# Altium PCB APP_EMILE.PcbDoc (part 6 of 6)
Units mil, origin at the board's own origin, x right, y up, seen from the top; angles counter-clockwise.
Board outline 7620.03 x 9320.03 mil, 12 copper layers (L1_Signal, L2_GND, L3_Signal, L4_GND, L5_Power, L6_GND, L7_GND, L8_Power, L9_GND, L10_Signal, L11_GND, L12_Signal), stack 74.268 mil thick; 395 components, 338 nets, 2140 pads, 1400 vias.
Unrouted connection lines stored in the file: 223.
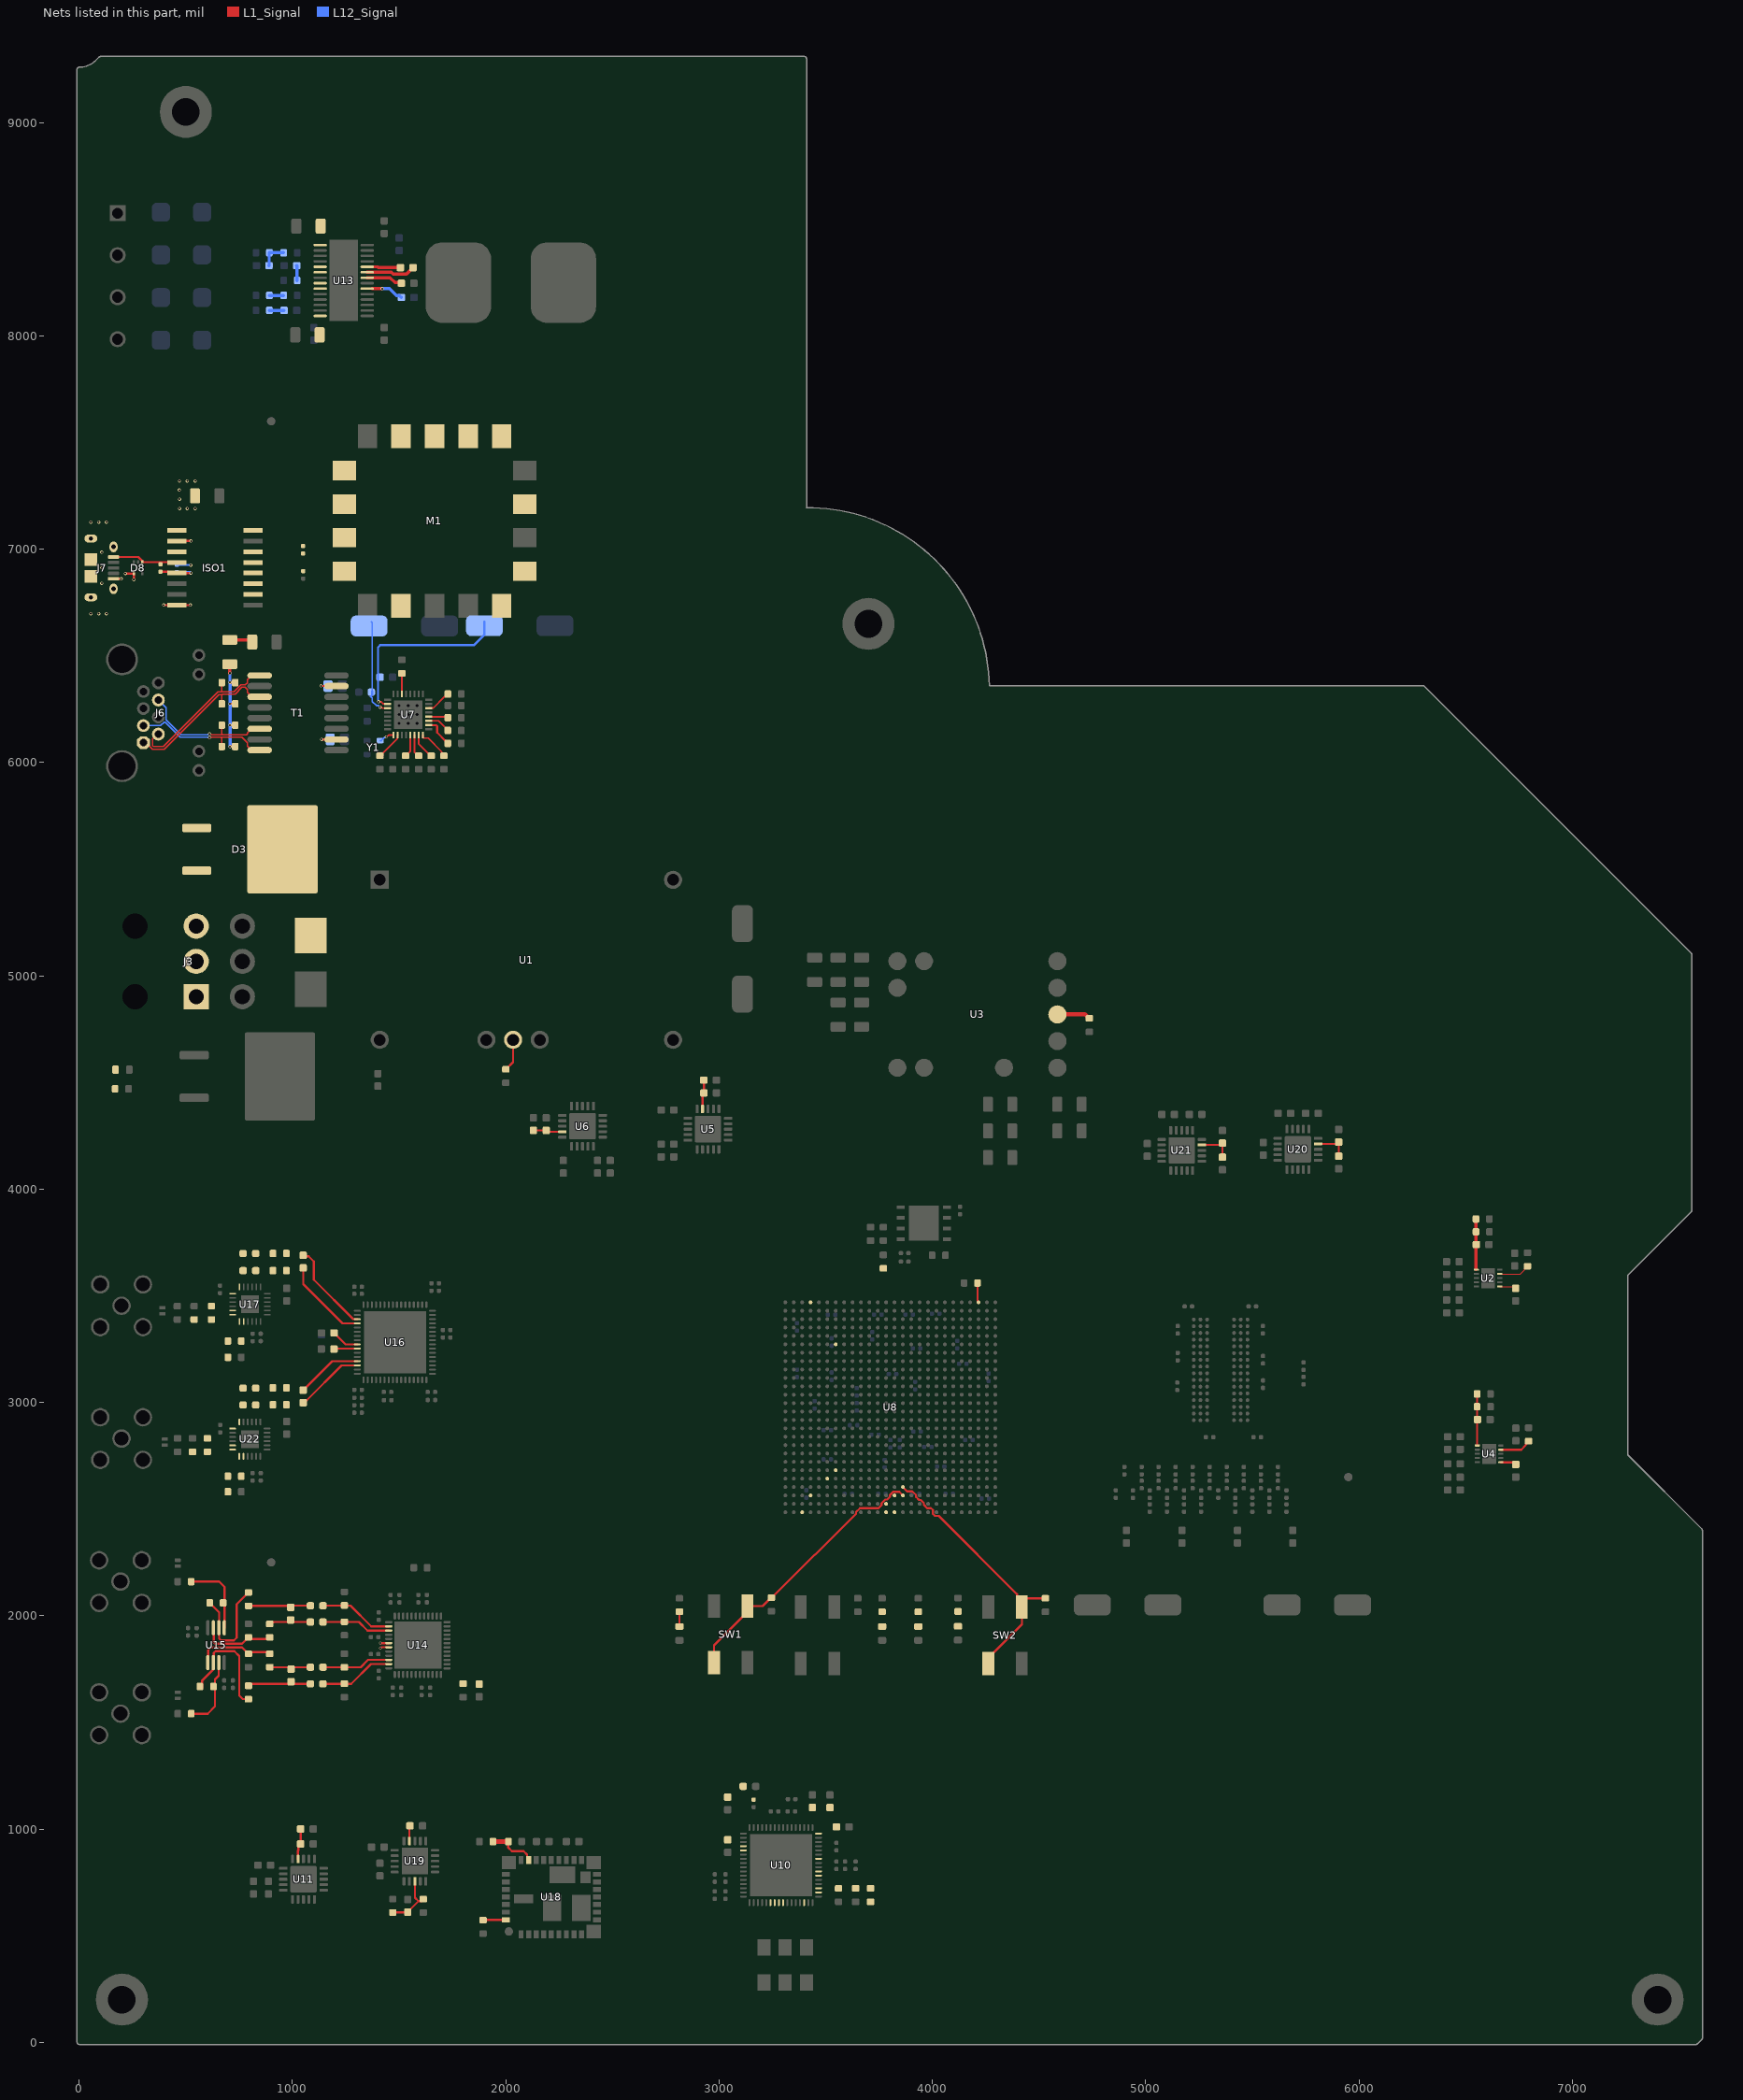
[diagram p16: the nets of this part, all layers, seen from the top]

## Via types
v1: diameter 15, hole 9, L1_Signal to L12_Signal, 719 vias
v2: diameter 15, hole 9, L1_Signal to L12_Signal, tented both sides, 553 vias
v3: diameter 19.68, hole 7.87, L1_Signal to L12_Signal, 89 vias
v4: diameter 13, hole 7, L1_Signal to L12_Signal, 15 vias
v5: diameter 19.68, hole 11.81, L1_Signal to L12_Signal, 15 vias
v6: diameter 22, hole 12, L1_Signal to L12_Signal, 9 vias

## Nets (pads, with @x,y where several pads share a name; then routed paths per layer and width w, separated by ;. In a path a pad name is that pad's centre, name@x,y a point inside that pad or via, vN(x,y) a via of type N, cw(c..) or ccw(c..) an arc to the next point about the centre after c; other vN are vias at no path point) (continued)
IO_L20N_2: R31.1 SW1.1 SW1.4 U8.C12 | length 1302.1
  L1_Signal w10: SW1.1@2976.28,1779.7 2976.28,1861.39 3133.76,2018.88 SW1.4@3133.76,2045.45 3204.39,2045.45 3243.02,2084.08 R31.1@3245.02,2084.08 3247.02,2084.08 3448.85,2285.91 3450.37,2285.91 3642.35,2477.89 3642.35,2486.2 3660.71,2504.56 3747.76,2504.56 3761.88,2518.67 3761.88,2526.98 3779.53,2544.63 3787.84,2544.63 3801.6,2558.4 3801.6,2566.71 3815.36,2580.47 3844.83,2580.47 U8.C12@3861.72,2563.61
IO_L20P_2: R32.2 SW2.1 SW2.4 U8.D12 | length 1282.8
  L1_Signal w10: U8.D12@3861.72,2602.98 3881.47,2583.22 3905.31,2583.22 3923.6,2564.94 3923.6,2556.63 3937.71,2542.51 3946.02,2542.51 3960.14,2528.4 3960.14,2520.09 3975.67,2504.56 3992.98,2504.56 4002.34,2495.19 4002.34,2477.89 4012.21,2468.01 4029.52,2468.01 4397.16,2100.38 4397.16,2081.5 SW2.4@4419.72,2058.94 ; SW2.1@4262.23,1775.24 4262.23,1801.81 4419.72,1959.29 SW2.4@4419.72,2040.99 SW2.4@4419.72,2058.94 ; R32.2@4530,2081.5 4442.27,2081.5 SW2.4@4419.72,2058.94
IO_L34_N: U8.A13
IO_L34_P: U8.C13
IO_L35_N: U8.A14
IO_L35_P: U8.B14
JTAG_TCK: M1.10 U8.E21
JTAG_TDI: M1.12 U8.F20
JTAG_TDO: M1.11 U8.A24
JTAG_TMS: M1.13 U8.C23
NetC1_2: C1.2 T1.2 | length 110.3
  L1_Signal w10: v1(1136.21,6108.72) 1136.51,6108.42 1205.67,6108.42 T1.2@1205.98,6108.11
  L12_Signal w10: v1(1136.21,6108.72) C1.2@1176.5,6108.72
NetC2_2: C2.2 T1.7 | length 105.5
  L1_Signal w10: v2(1133.84,6359.22) 1134.39,6358.67 1205.42,6358.67 T1.7@1205.98,6358.11
  L12_Signal w10: v2(1133.84,6359.22) 1166,6359.22 C2.2@1166.5,6358.72
NetC3_1: C3.1 L1.2 | length 109.4
  L1_Signal w10: L1.2@801.26,6575.11 L1.2@811.26,6565.11
  L1_Signal w15: C3.1@705.98,6575.11 L1.2@801.26,6575.11
NetC3_2: C3.2 R7.1 R8.1 R9.1 R10.1 | length 486.7
  L1_Signal w10: v1(706.37,6275.39) 706.57,6275.2 731.3,6275.2 R7.1@731.5,6275 ; v1(706.77,6175.39) 706.96,6175.2 731.3,6175.2 R10.1@731.5,6175 ; v1(706.77,6375.39) 706.96,6375.2 731.3,6375.2 R8.1@731.5,6375 ; v1(707.16,6074.72) 707.3,6074.86 731.36,6074.86 R9.1@731.5,6075
  L1_Signal w15: v1@705.98,6418.72 C3.2@705.98,6461.11
  L12_Signal w15: v1(706.37,6419.11) 706.37,6375.79 v1(706.77,6375.39) 707.16,6375 v1(707.16,6074.72)
NetC22_2: C22.2 R13.1 R15.2 U2.1 | length 238.6
  L1_Signal w5: R13.1@6548.5,3860 R13.1@6548.98,3859.52 ; U2.1@6548.98,3622.87 U2.1@6549.88,3621.97
  L1_Signal w15: U2.1@6548.98,3622.87 R13.1@6548.98,3859.52
NetC23_2: C23.2 U2.6 | length 78.4
  L1_Signal w5: U2.6@6660.12,3543.23 6726.47,3543.23 C23.2@6735,3534.7
NetC35_2: C35.2 C36.2 U5.14 | length 138
  L1_Signal w10: U5.14@2922.41,4375.49 2922.41,4444.91 C35.2@2928.5,4451 C36.2@2928.5,4511
NetC38_2: C38.2 C39.2 U6.14 | length 138
  L1_Signal w10: C38.2@2129.65,4275.27 C39.2@2189.65,4275.27 2195.74,4269.18 U6.14@2265.16,4269.18
NetC40_2: C40.2 R17.1 R18.2 U4.1 | length 238.6
  L1_Signal w10: R17.1@6553.41,3036.97 6553.9,3036.49 6553.9,2799.84 U4.1@6554.8,2798.94
NetC41_2: C41.2 U4.6 | length 74.1
  L1_Signal w5: U4.6@6665.27,2719.2 U4.6@6665.81,2718.66 ; C41.2@6725.56,2718.66 C41.2@6735.15,2709.07
  L1_Signal w10: U4.6@6665.81,2718.66 C41.2@6725.56,2718.66
NetC42_1: C42.1 C43.2 U7.2 | length 885.8
  L1_Signal w8: v2(1403.92,6285.25) 1404.2,6284.97 1415.03,6284.97 1425,6275 1444.88,6275 U7.2@1445.67,6274.21
  L12_Signal w8: 1401.26,6292.85 1402.58,6291.54 1402.58,6286.59 v2(1403.92,6285.25)
  L12_Signal w10: 1401.26,6292.85 1401.26,6374.17 1401.26,6540 1411.26,6550 1850,6550 1900,6600 C42.1@1900,6660
NetC44_1: C44.1 L2.1 U7.3 | length 466.2
  L1_Signal w8: v2(1410,6260) 1416.44,6260 1421.92,6254.53 U7.3@1445.67,6254.53
  L12_Signal w8: 1367.12,6310 1374,6303.12 1374,6286.3 1393.18,6267.13 1401.53,6267.13 1408.66,6260 v2(1410,6260) ; C44.1@1369.29,6660 1373.99,6655.3 1373.99,6473.09 L2.1@1374,6334.5
  L12_Signal w10: 1367.12,6310 1374,6316.88 L2.1@1374,6334.5
NetC70_1: C70.1 L7.1 R85.2 | length 198
  L1_Signal w10: R85.2@893.35,1758.5 984.35,1758.5 C70.1@993.35,1749.5 1002.35,1758.5 1043.35,1758.5 L7.1@1083.85,1758.5
NetC70_2: C70.2 L6.1 R83.2 | length 298.4
  L1_Signal w10: R83.2@793.35,1671.5 802.35,1680.5 C70.2@993.35,1680.5 ; C70.2@993.35,1690.5 1003.35,1680.5 L6.1@1083.85,1680.5
NetC75_2: C75.2 C76.2 L3.1 U10.5 U10.34 U10.35 U10.39 U10.42
NetC77_2: C77.2 U10.48
NetC78_2: C78.2 U10.4
NetC79_2: C79.2 U10.38
NetC89_2: C89.2 U13.20 | length 153.5
  L1_Signal w15: U13.20@1374.23,8221.61 v2(1420,8221.61)
  L12_Signal w15: v2(1420,8221.61) 1454.41,8221.61 1486.84,8189.18 1501.32,8189.18 C89.2@1510.5,8180
NetC90_2: C90.2 U13.22 | length 170.9
  L1_Signal w15: U13.22@1350.24,8272.8 1457.2,8272.8 1480.23,8249.77 1507.94,8249.77 C90.2@1510.5,8247.2
NetC91_1: C91.1 U13.24 | length 157.4
  L1_Signal w15: U13.24@1350.24,8323.98 1398.55,8323.98 1402.52,8320 C91.1@1506,8320
NetC91_2: C91.2 U13.23 | length 230.7
  L1_Signal w15: U13.23@1350.24,8298.39 1462.92,8298.39 1471.31,8290 1534.5,8290 1564.5,8320 C91.2@1565,8320
NetC93_2: C93.2 R70.1 R71.2 U13.5 | length 127.8
  L12_Signal w15: C93.2@889.5,8330 890.5,8331 890.5,8389 R70.1@891.5,8390 R71.2@958.5,8390
NetC94_2: C94.2 R72.2 U13.6 | length 70.8
  L12_Signal w15: C94.2@1019.5,8330 1020.5,8329 1020.5,8261 R72.2@1021.5,8260
NetC95_2: C95.2 R73.2 U13.9 | length 69
  L12_Signal w15: R73.2@891.5,8120 C95.2@960.5,8120
NetC96_1: C96.1 L5.1 R78.2 | length 201.9
  L1_Signal w10: R78.2@893.35,1961.5 901.35,1969.5 911.15,1969.5 912.14,1970.48 982.15,1970.48 C96.1@991.45,1979.78 1000.73,1970.5 L5.1@1083.85,1970.5
NetC96_2: C96.2 L4.1 R76.2 | length 296.9
  L1_Signal w10: R76.2@793.35,2046 984.23,2046 C96.2@991.45,2038.78 999.67,2047 L4.1@1083.85,2047
NetC109_2: C109.2 U14.42 | length 39.5
  L1_Signal w10: v1(1412,1872) 1412.46,1871.54 U14.42@1451.32,1871.54
NetC111_1: C111.1 R94.1 U16.30 | length 326.4
  L1_Signal w10: C111.1@1050,2998.5 1061.91,3010.41 1067.41,3010.41 1230.62,3173.62 U16.30@1303.84,3173.62
NetC111_2: C111.2 R92.1 U16.29 | length 310.1
  L1_Signal w10: C111.2@1050,3057.5 1185.8,3193.3 U16.29@1303.84,3193.3
NetC112_1: C112.1 U16.25 | length 131.7
  L1_Signal w10: C112.1@1194.5,3326 1248.46,3272.04 U16.25@1303.84,3272.04
NetC113_1: C113.1 U16.26 | length 110.3
  L1_Signal w10: C113.1@1194.5,3250 1196.86,3252.36 U16.26@1303.84,3252.36
NetC115_1: C115.1 R102.1 U16.20 | length 406.1
  L1_Signal w10: C115.1@1050,3630.5 1050,3554.53 1234.06,3370.47 U16.20@1303.84,3370.47
NetC115_2: C115.2 R100.1 U16.19 | length 428.2
  L1_Signal w10: C115.2@1050,3689.5 1054.64,3684.86 1076.14,3684.86 1100,3661 1100,3575 1284.85,3390.15 U16.19@1303.84,3390.15
NetC136_2: C136.2 C137.2 U11.14 | length 146.1
  L1_Signal w10: U11.14@1025.87,858.98 1025.87,898.23 1027.64,900 1027.64,919.5 C137.2@1038.14,930 C136.2@1038.14,1000
NetC140_2: C140.2 R112.2 R113.2 U19.3 | length 269.9
  L1_Signal w10: R112.2@1470,608.38 1471,609.38 1539,609.38 C140.2@1540,610.38 1540,610.88 1590.65,661.52 ; U19.3@1573.82,754.88 1573.82,678.35 1590.65,661.52 ; R113.2@1613.19,671.38 1603.33,661.52 1590.65,661.52
NetC142_2: C142.2 U19.14 | length 71.5
  L1_Signal w10: U19.14@1548.23,943.86 C142.2@1548.23,1015.38
NetC149_2: C149.2 C150.2 U20.14 | length 166.2
  L1_Signal w10: U20.14@5808.31,4212.08 5896.58,4212.08 C149.2@5905,4220.5 C150.2@5905,4154.5
NetC152_2: C152.2 C153.2 U21.14 | length 166.2
  L1_Signal w10: U21.14@5263.31,4207.08 5351.58,4207.08 C152.2@5360,4215.5 C153.2@5360,4149.5
NetD3_1: D3.1 D3.3 J3.1 J3.2 J3.3
NetD3_4: D3.4 F1.1
NetD5_A: D5.A R1.1
NetD13_A: D13.A R34.1
NetD14_A: D14.A R35.1
NetD15_A: D15.A R36.1
NetD16_A: D16.A R37.1 | length 69.1
  L1_Signal w10: D16.A@2814.02,1949.37 R37.1@2814.02,2018.5
NetISO1_5: ISO1.5 R3.1 R5.1 | length 214
  L1_Signal w10: R3.1@380.98,6895.02 416.57,6895.02 423.48,6888.11 ISO1.5@457.73,6888.11 v1(524.08,6888.11)
  L12_Signal w10: R5.1@457.73,6892.11 518.74,6892.11 522.73,6888.11 v1(524.08,6888.11)
NetISO1_13: ISO1.13 R4.1 R6.2
NetL4_2: L4.2 R80.2 U14.38 | length 350.7
  L1_Signal w10: L4.2@1142.85,2047 R80.2@1241.85,2047 ; R80.2@1243.35,2048.5 R80.2@1241.85,2047 ; U14.38@1451.32,1950.28 1368.72,1950.28 1272,2047 R80.2@1241.85,2047
NetL5_2: L5.2 R81.2 U14.39 | length 326.4
  L1_Signal w10: L5.2@1142.85,1970.5 R81.2@1242.35,1970.5 ; R81.2@1243.35,1971.5 R81.2@1242.35,1970.5 ; U14.39@1451.32,1930.59 1351.41,1930.59 1311.5,1970.5 R81.2@1242.35,1970.5
NetL6_2: L6.2 R87.2 U14.47 | length 348.2
  L1_Signal w10: L6.2@1142.85,1680.5 R87.2@1242.35,1680.5 ; R87.2@1243.35,1681.5 R87.2@1242.35,1680.5 ; U14.47@1451.32,1773.11 1368.11,1773.11 1275.5,1680.5 R87.2@1242.35,1680.5
NetL7_2: L7.2 R88.2 U14.46 | length 322.7
  L1_Signal w10: L7.2@1142.85,1758.5 R88.2@1243.35,1758.5 1319.5,1758.5 1353.8,1792.8 U14.46@1451.32,1792.8
NetL8_1: L8.1 R92.2
NetL8_2: L8.2 U22.19
NetL9_1: L9.1 R94.2
NetL9_2: L9.2 U22.18
NetL10_1: L10.1 R100.2
NetL10_2: L10.2 U17.19
NetL11_1: L11.1 R102.2
NetL11_2: L11.2 U17.18
NetM1_18: M1.18 R106.1 R107.2
NetR11_1: R11.1 U2.9 | length 146.8
  L1_Signal w5: U2.9@6660.12,3602.28 6756.99,3602.28 6777.19,3622.48 6777.19,3625.77 6789.92,3638.5 R11.1@6790,3638.5
NetR12_2: R12.2 U1.4 | length 152.6
  L1_Signal w10: R12.2@2000,4561.5 2034.16,4595.66 U1.4@2034.16,4700
NetR14_2: R14.2 U3.8 | length 157.7
  L1_Signal w20: U3.8@4586,4819 4715.5,4819 4734,4800.5 R14.2@4736,4800.5
NetR16_1: R16.1 U4.9 | length 147
  L1_Signal w10: U4.9@6665.27,2778.26 6760.9,2778.26 6782.1,2799.45 6782.1,2802.74 6794.83,2815.47 R16.1@6794.91,2815.47
NetR21_1: R21.1 U7.18 | length 143.5
  L1_Signal w9: U7.18@1638.58,6175.79 1639,6175.37 1672.81,6175.37 1678.08,6170.09 1678.08,6140.42 1716.45,6102.05 1717.62,6102.05 1728.5,6091.16 R21.1@1728.5,6090
NetR22_1: R22.1 U7.20 | length 96.6
  L1_Signal w3: U7.20@1638.58,6215.16 U7.20@1642,6211.74
  L1_Signal w8: U7.20@1638.78,6214.96 1723.54,6214.96 R22.1@1728.5,6210
NetR23_1: R23.1 U7.16 | length 150.9
  L1_Signal w8: U7.16@1611.02,6128.54 1611.02,6117.72 1614.44,6114.3 1635.7,6114.3 1698.91,6051.09 1698.91,6041.92 1709.33,6031.5 R23.1@1710,6031.5
NetR24_1: R24.1 U7.15 | length 122.5
  L1_Signal w8: U7.15@1591.34,6128.54 1591.34,6088.16 1648,6031.5 R24.1@1650,6031.5
NetR25_1: R25.1 U7.14 | length 106.4
  L1_Signal w8: U7.14@1571.65,6128.54 1571.65,6049.18 1589.34,6031.5 R25.1@1591.34,6031.5
NetR26_1: R26.1 U7.13 | length 107.3
  L1_Signal w8: R26.1@1530,6031.5 1532,6031.5 1551.97,6051.47 U7.13@1551.97,6128.54
NetR27_2: R27.2 U7.30 | length 97
  L1_Signal w8: U7.30@1512.6,6321.46 R27.2@1512.6,6418.5
NetR28_1: R28.1 U7.19 | length 109.9
  L1_Signal w8: U7.19@1638.58,6195.47 1685.03,6195.47 1728.5,6152 R28.1@1728.5,6150
NetR29_1: R29.1 U7.22 | length 118.2
  L1_Signal w8: U7.22@1638.58,6254.53 1639.36,6255.3 1659.45,6255.3 1713.37,6309.22 1717.16,6309.22 1728.5,6320.56 R29.1@1728.5,6321.46
NetR30_2: R30.2 U7.10 | length 132.3
  L1_Signal w8: R30.2@1410,6031.5 1411.5,6031.5 1491.99,6111.99 1491.99,6127.62 U7.10@1492.91,6128.54
NetR61_2: R61.2 U10.30
NetR62_1: R62.1 U8.AF23
NetR66_2: R66.2 U8.AF3 | length 92.8
  L1_Signal w10: R66.2@4211.5,3560 4211.5,3475.76 4216.05,3471.21 U8.AF3@4216.05,3469.12
NetR67_1: R67.1 R68.2 U13.8 | length 67
  L12_Signal w15: R68.2@891.5,8190 R67.1@958.5,8190
NetR69_2: R69.2 U13.1
NetR74_2: R74.2 U13.14
NetR75_1: R75.1 R77.2 U15.1 | length 366
  L1_Signal w10: R77.2@524.85,2160 656.37,2160 681.74,2134.63 681.74,2066.89 R75.1@674.85,2060 681.74,2053.11 U15.1@681.74,1941.69
NetR75_2: R75.2 R76.1 U15.2 | length 513.7
  L1_Signal w10: R75.2@611.85,2060 611.85,2058 619.85,2050 621.85,2050 656.15,2015.7 656.15,1941.69 656.29,1941.55 656.29,1892.92 665.08,1884.13 725.55,1884.13 738.19,1896.77 738.19,2053.84 783.35,2099 783.35,2101 791.35,2109 R76.1@793.35,2109
NetR78_1: R78.1 R79.1 U15.3 | length 348.8
  L1_Signal w10: U15.3@630.56,1941.69 630.56,1874.84 636.42,1868.99 763.84,1868.99 783.35,1888.5 783.35,1890.5 788.36,1895.51 791.35,1898.5 R79.1@793.35,1898.5 ; R79.1@793.35,1890.51 885.37,1890.51 R78.1@893.35,1898.5
NetR82_1: R82.1 R84.2 U15.7 | length 338.4
  L1_Signal w10: R84.2@524.85,1540.63 602.25,1540.63 636.69,1575.07 636.69,1667.73 636.69,1700.58 654.41,1718.3 U15.7@654.41,1780
NetR82_2: R82.2 R83.1 U15.6 | length 558.3
  L1_Signal w10: R82.2@575.62,1661.31 575.62,1694.81 627.72,1746.92 627.72,1775.47 631.32,1779.07 631.32,1825.58 639.34,1833.6 727.07,1833.6 750,1810.67 750,1625.58 766.71,1608.87 796.88,1608.87 R83.1@797.26,1608.5
NetR85_1: R85.1 R86.1 U15.5 | length 370.7
  L1_Signal w10: U15.5@604.97,1778.31 604.97,1839.05 616.82,1850.9 763.95,1850.9 783.35,1831.5 783.35,1829.5 791.35,1821.5 R86.1@793.35,1821.5 ; R86.1@793.35,1829.49 885.37,1829.49 R85.1@893.35,1821.5
NetR90_2: R90.2 U14.43 | length 40.9
  L1_Signal w10: v2(1412,1848) 1413.35,1848 1417.2,1851.85 U14.43@1451.32,1851.85
NetR91_1: R91.1 U22.23
NetR91_2: R91.2 R93.1 U22.24
NetR96_1: R96.1 R97.2 U22.1
NetR97_1: R97.1 U22.2
NetR99_1: R99.1 U17.23
NetR99_2: R99.2 R101.1 U17.24
NetR104_1: R104.1 R105.2 U17.1
NetR105_1: R105.1 U17.2
NetR108_2: R108.2 U8.AA20
NetR109_1: R109.1 R110.2 U18.27 | length 229.4
  L1_Signal w10: R109.1@2011.75,941.06 2011.75,912.56 2028.25,896.06 2083.25,896.06 2100.14,879.17 2100.14,862.08 U18.27@2106.95,855.27
  L1_Signal w20: R110.2@1939.75,941.06 R109.1@2011.75,941.06
NetR111_2: R111.2 U18.36 | length 107.3
  L1_Signal w10: R111.2@1893.25,572.56 1894.35,573.66 1998.57,573.66 U18.36@1999.67,574.76
NetU7_9: U7.9 Y1.3 | length 73.5
  L1_Signal w8: v2(1440,6120) 1441.89,6120 1450.44,6128.54 U7.9@1473.23,6128.54
  L12_Signal w8: Y1.3@1410.51,6102.48 1415.75,6102.48 1431.93,6118.66 1438.66,6118.66 v2(1440,6120)
Rx: M1.5
RX_N: J6.6 R10.2 T1.14 | length 637.1
  L1_Signal w6.53: v2(611.1,6134.06) 612.72,6132.44 617.54,6132.44 619.16,6130.82 629.64,6130.82 629.7,6130.76 671.88,6130.76 ; R10.2@668.5,6175 668.5,6134.59 668.5,6134.15 672.32,6130.32 784.86,6130.32 788.69,6134.15 788.69,6137.84 808.95,6158.11 T1.14@845.98,6158.11
  L12_Signal w6.53: J6.6@370.98,6293.11 407.24,6256.85 407.24,6201 477.41,6130.82 603.04,6130.82 604.65,6132.44 609.48,6132.44 v2(611.1,6134.06)
RX_P: J6.3 R9.2 T1.16 | length 661.4
  L1_Signal w6.53: v2(611.1,6116.06) 612.72,6117.68 617.54,6117.68 619.16,6119.3 624.86,6119.3 624.92,6119.24 664.68,6119.24 668.5,6115.41 R9.2@668.5,6075 ; 665.12,6118.8 761.94,6118.8 788.69,6092.05 788.69,6078.38 808.95,6058.11 T1.16@845.98,6058.11
  L12_Signal w6.53: J6.3@300.98,6173.11 382.26,6173.11 397.84,6188.69 403.24,6188.69 472.64,6119.3 603.04,6119.3 604.65,6117.68 609.48,6117.68 v2(611.1,6116.06)
SPI_CLK: U10.24
SPI_MISO: U10.22 U10.25
SPI_MOSI: U10.23
Tx: M1.6
TX_N: J6.2 R8.2 T1.9 | length 758.8
  L1_Signal w6.53: J6.2@370.98,6133.11 367.49,6133.11 343.8,6109.42 343.8,6078.07 347.62,6074.25 394.25,6074.25 650.76,6330.76 668.61,6330.76 668.98,6331.14 725.95,6331.14 758.69,6363.88 778.39,6363.88 788.69,6374.17 788.69,6387.84 808.95,6408.11 T1.9@845.98,6408.11 ; 668.5,6334.59 R8.2@668.5,6375
TX_P: J6.1 R7.2 T1.11 | length 749.6
  L1_Signal w6.53: J6.1@300.98,6093.11 312.46,6093.11 342.85,6062.72 399.02,6062.72 655.54,6319.24 671.95,6319.24 ; R7.2@668.5,6275 668.5,6315.41 668.5,6315.79 672.32,6319.61 730.73,6319.61 763.47,6352.35 778.39,6352.35 788.69,6342.05 788.69,6328.38 808.95,6308.11 T1.11@845.98,6308.11
USB: C66.2 D8.4 ISO1.2 ISO1.8 J7.5 J7.6 J7.7 J7.8 J7.9 J7.10 J7.11 R5.2 | length 354.3
  L1_Signal w10: J7.5@168.46,6861.34 v1(197,6861.34) ; v1(216.61,6885.95) D8.4@256.29,6885.95 v1(256.29,6857.4) ; v1(395.98,6738.11) v1(520.98,6738.11) ; ISO1.2@457.73,7038.11 458.12,7038.51 524.08,7038.51 v1(524.48,7038.9)
  L12_Signal w10: R5.2@457.73,6927.11 458.27,6926.57 522.19,6926.57 v1(522.73,6926.02)
  other v1: 54.68,6698.11 91.56,6698.11 127.87,6698.11 105.98,6839.94 105.98,6913.14 105.98,6986.34 54.68,7126.93 91.56,7126.93 127.87,7126.93 543.4,7190.39 470.4,7191.19 506.38,7190.79 470.34,7234.26 469.5,7277.32 470,7320.39 506.77,7320.39 543.79,7320.39
USB_3V3: ISO1.12 ISO1.14 ISO1.16 M1.2 M1.8 M1.15 R4.2 R106.2
USB_5V: D8.1 ISO1.1 ISO1.3 ISO1.4 J7.1 R3.2 | length 274.7
  L1_Signal w10: J7.1@160.98,6963.7 277.13,6963.7 D8.1@298.7,6942.14 ; D8.1@295.66,6939.1 380.98,6939.1 ISO1.4@422.73,6939.1 ; ISO1.4@457.73,6938.11 ISO1.4@457.73,6939.1
USB_DD_N: ISO1.11 M1.16
USB_DD_P: ISO1.10 M1.17
pads on no net: D8.2 FID1.1 FID1.2 FID2.1 FID2.2 FID3.1 FID3.2 J3.0 J6.0 J6.4 J6.5 J6.7 J6.8 J7.4 M1.3 M1.4 M1.9 MTH1.1 MTH2.1 MTH3.1 MTH4.1 T1.4 T1.5 T1.10 T1.12 T1.13 T1.15 U3.9 U3.10 U3.11 U5.2 U5.4 U5.5 U5.8 U5.9 U5.10 U5.11 U5.17 U5.18 U5.19 U6.2 U6.4 U6.5 U6.6 U6.9 U6.10 U6.12 U6.17 U6.18 U6.19 U7.8 U7.12 U7.28 U7.29 U8.A2 U8.A3 U8.A15 U8.A16 U8.A17 U8.A18 U8.A19 U8.A20 U8.A21 U8.A22 U8.A23 U8.A25 U8.AA3 U8.AA4 U8.AA5 U8.AA7 U8.AA8 U8.AA9 U8.AA11 U8.AA12 U8.AA13 U8.AA14 U8.AA15 U8.AA17 U8.AA18 U8.AA19 U8.AA22 U8.AA23 U8.AB4 U8.AB5 U8.AB6 U8.AB7 U8.AB8 U8.AB9 U8.AB10 U8.AB11 U8.AB13 U8.AB15 U8.AB17 U8.AB18 U8.AB19 U8.AB21 U8.AB22 U8.AB24 U8.AC3 U8.AC4 U8.AC5 U8.AC7 U8.AC9 U8.AC11 U8.AC12 U8.AC13 U8.AC14 U8.AC15 U8.AC16 U8.AC17 U8.AC19 U8.AC20 U8.AC22 U8.AC23 U8.AC24 U8.AD4 U8.AD5 U8.AD6 U8.AD7 U8.AD8 U8.AD9 U8.AD10 U8.AD11 U8.AD12 U8.AD13 U8.AD14 U8.AD15 U8.AD17 U8.AD18 U8.AD19 U8.AD21 U8.AE3 U8.AE4 U8.AE5 U8.AE7 U8.AE9 U8.AE11 U8.AE13 U8.AE15 U8.AE17 U8.AE19 U8.AE21 U8.AE23 U8.AE25 U8.AE26 U8.AF2 U8.AF5 U8.AF6 U8.AF7 U8.AF8 U8.AF9 U8.AF10 U8.AF11 U8.AF12 U8.AF13 U8.AF14 U8.AF15 U8.AF16 U8.AF17 U8.AF18 U8.AF19 U8.AF21 U8.AF24 U8.B1 U8.B2 U8.B16 U8.B18 U8.B20 U8.B22 U8.B23 U8.B24 U8.B25 U8.B26 U8.C1 U8.C2 U8.C3 U8.C4 U8.C14 U8.C15 U8.C16 U8.C17 U8.C18 U8.C19 U8.C20 U8.C21 U8.C24 U8.C25 U8.C26 U8.D1 U8.D3 U8.D13 U8.D14 U8.D15 U8.D16 U8.D18 U8.D19 U8.D20 U8.D21 U8.D22 U8.D23 U8.D24 U8.D26 U8.E1 U8.E2 U8.E3 U8.E4 U8.E5 U8.E12 U8.E14 U8.E16 U8.E17 U8.E18 U8.E19 U8.E20 U8.E23 U8.E24 U8.E25 U8.E26 U8.F1 U8.F3 U8.F5 U8.F8 U8.F12 U8.F13 U8.F14 U8.F15 U8.F16 U8.F17 U8.F18 U8.F22 U8.F24 U8.F26 U8.G1 U8.G2 U8.G3 U8.G4 U8.G5 U8.G6 U8.G7 U8.G9 U8.G11 U8.G13 U8.G14 U8.G16 U8.G17 U8.G19 U8.G20 U8.G21 U8.G22 U8.G23 U8.G24 U8.G25 U8.G26 U8.H1 U8.H3 U8.H5 U8.H6 U8.H7 U8.H8 U8.H9 U8.H10 U8.H12 U8.H13 U8.H15 U8.H16 U8.H17 U8.H18 U8.H19 U8.H20 U8.H21 U8.H22 U8.H24 U8.H26 U8.J1 U8.J2 U8.J3 U8.J4 U8.J5 U8.J7 U8.J10 U8.J11 U8.J12 U8.J13 U8.J14 U8.J15 U8.J16 U8.J17 U8.J20 U8.J22 U8.J23 U8.J24 U8.J25 U8.J26 U8.K1 U8.K3 U8.K5 U8.K6 U8.K7 U8.K8 U8.K9 U8.K10 U8.K12 U8.K14 U8.K15 U8.K18 U8.K19 U8.K20 U8.K21 U8.K22 U8.K24 U8.K26 U8.L1 U8.L2 U8.L6 U8.L7 U8.L8 U8.L9 U8.L17 U8.L18 U8.L19 U8.L20 U8.L21 U8.L23 U8.L24 U8.L25 U8.L26 U8.M1 U8.M3 U8.M4 U8.M18 U8.M19 U8.M21 U8.M23 U8.M24 U8.M26 U8.N1 U8.N2 U8.N17 U8.N18 U8.N19 U8.N20 U8.N21 U8.N22 U8.N23 U8.N24 U8.N25 U8.N26 U8.P17 U8.P18 U8.P20 U8.P21 U8.P22 U8.P24 U8.P26 U8.R5 U8.R6 U8.R7 U8.R10 U8.R17 U8.R18 U8.R19 U8.R20 U8.R21 U8.R22 U8.R23 U8.R24 U8.R25 U8.R26 U8.T4 U8.T6 U8.T8 U8.T9 U8.T10 U8.T18 U8.T19 U8.T20 U8.T22 U8.T23 U8.T24 U8.T26 U8.U3 U8.U4 U8.U5 U8.U7 U8.U8 U8.U9 U8.U12 U8.U13 U8.U15 U8.U17 U8.U19 U8.U20 U8.U21 U8.U22 U8.U23 U8.U24 U8.U25 U8.U26 U8.V5 U8.V6 U8.V7 U8.V8 U8.V10 U8.V11 U8.V12 U8.V13 U8.V14 U8.V15 U8.V16 U8.V17 U8.V18 U8.V19 U8.V20 U8.V22 U8.V23 U8.V24 U8.W5 U8.W7 U8.W8 U8.W9 U8.W10 U8.W11 U8.W12 U8.W13 U8.W14 U8.W16 U8.W17 U8.W18 U8.W19 U8.W21 U8.W26 U8.Y5 U8.Y6 U8.Y8 U8.Y9 U8.Y10 U8.Y13 U8.Y14 U8.Y15 U8.Y16 U8.Y18 U8.Y20 U8.Y21 U8.Y22 U9.H1 U9.J1 U9.J9 U9.K9 U9.L1 U9.L8 U9.L9 U9.M7 U9.M8 U9.T2 U9.T7 U10.6 U10.7 U10.9 U10.10 U10.12 U10.13 U10.14 U10.31 U10.33 U10.37 U10.40 U10.41 U10.49 U10.50 U10.51 U10.52 U10.53 U10.54 U10.55 U10.56 U10.57 U10.58 U10.59 U10.60 U10.61 U10.62 U10.63 U10.64 U11.2 U11.4 U11.5 U11.9 U11.10 U11.12 U12.9 U16.22 U16.56 U16.57 U17.5 U17.6 U17.7 U17.8 U17.9 U17.10 U17.11 U17.12 U17.13 U17.14 U17.15 U17.16 U17.PAD U18.2 U18.3 U18.6 U18.7 U18.21 U18.22 U18.23 U18.24 U18.25 U18.28 U18.31 U18.35 U18.38 U18.41 U19.2 U19.4 U19.5 U19.6 U19.8 U19.9 U19.10 U19.11 U19.12 U20.2 U20.4 U20.5 U20.6 U20.8 U21.2 U21.4 U21.5 U21.6 U21.8 U21.11 U21.12 U22.5 U22.6 U22.7 U22.8 U22.9 U22.10 U22.11 U22.12 U22.13 U22.14 U22.15 U22.16 U22.PAD Y1.1 Y2.1